# Altium PCB BusinessCard.PcbDoc
Units mm, origin at the board's own origin, x right, y up, seen from the top; angles counter-clockwise.
Board outline 88.9 x 50.8 mm, 4 copper layers (L1-SIG, L2-GND, L3-SIG, L4-GND), stack 2.199 mm thick; 55 components, 38 nets, 233 pads, 240 vias.
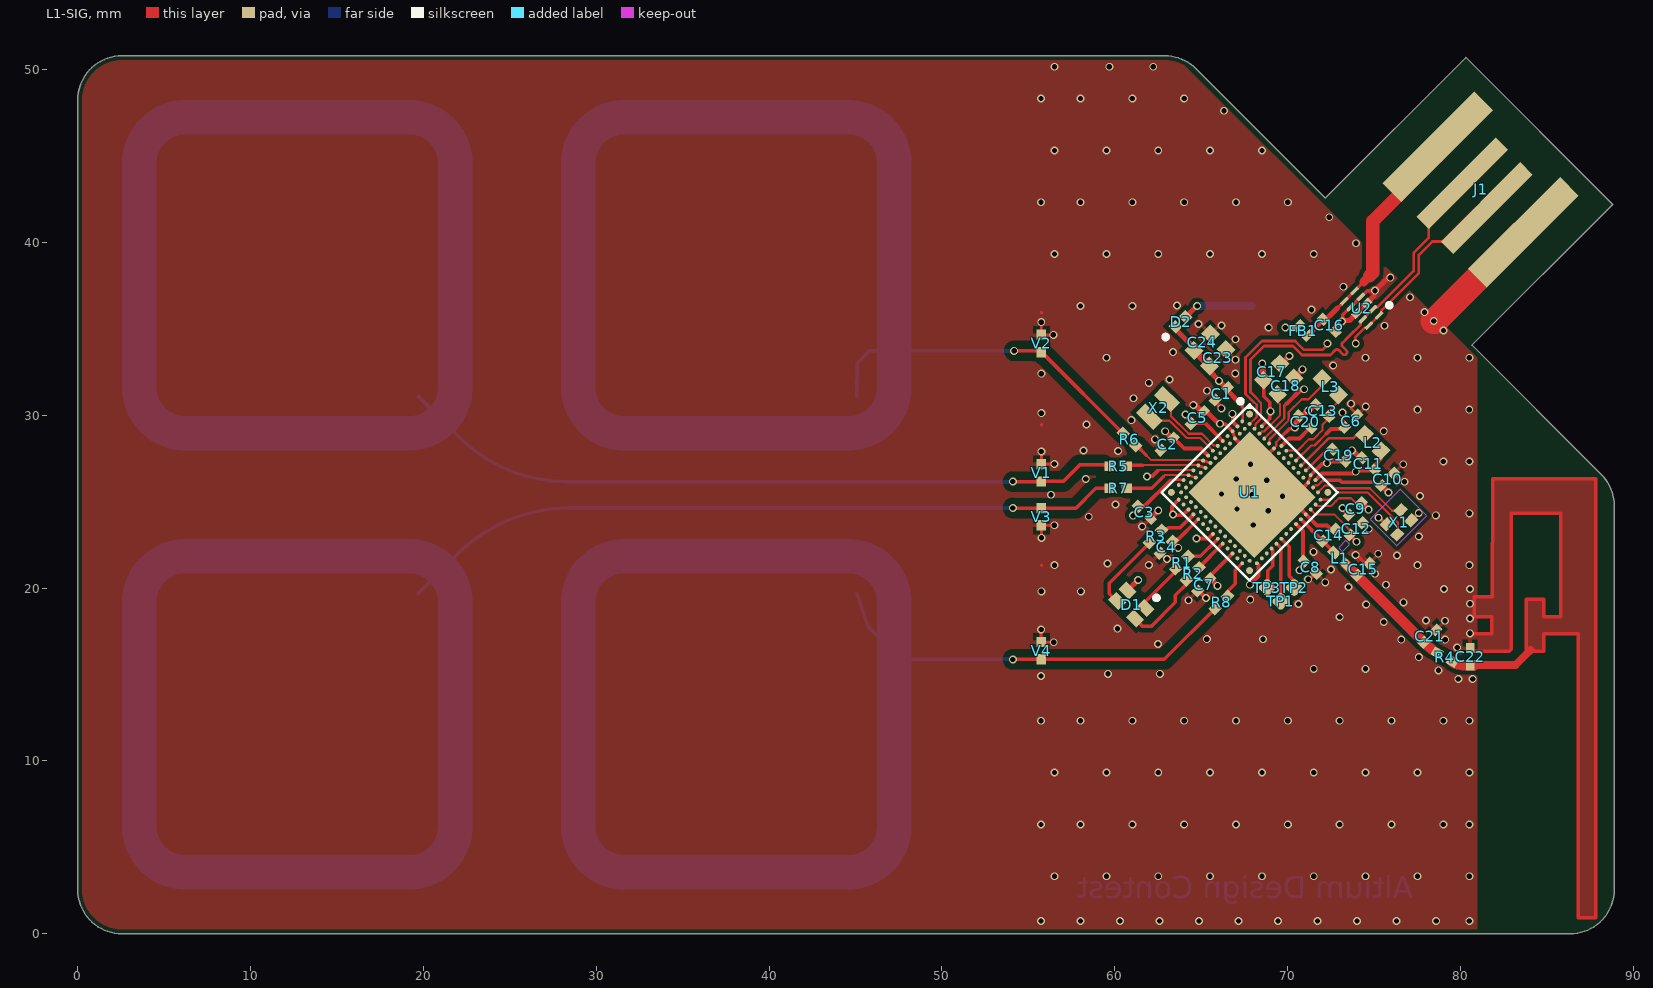
[diagram p0: L1-SIG view]
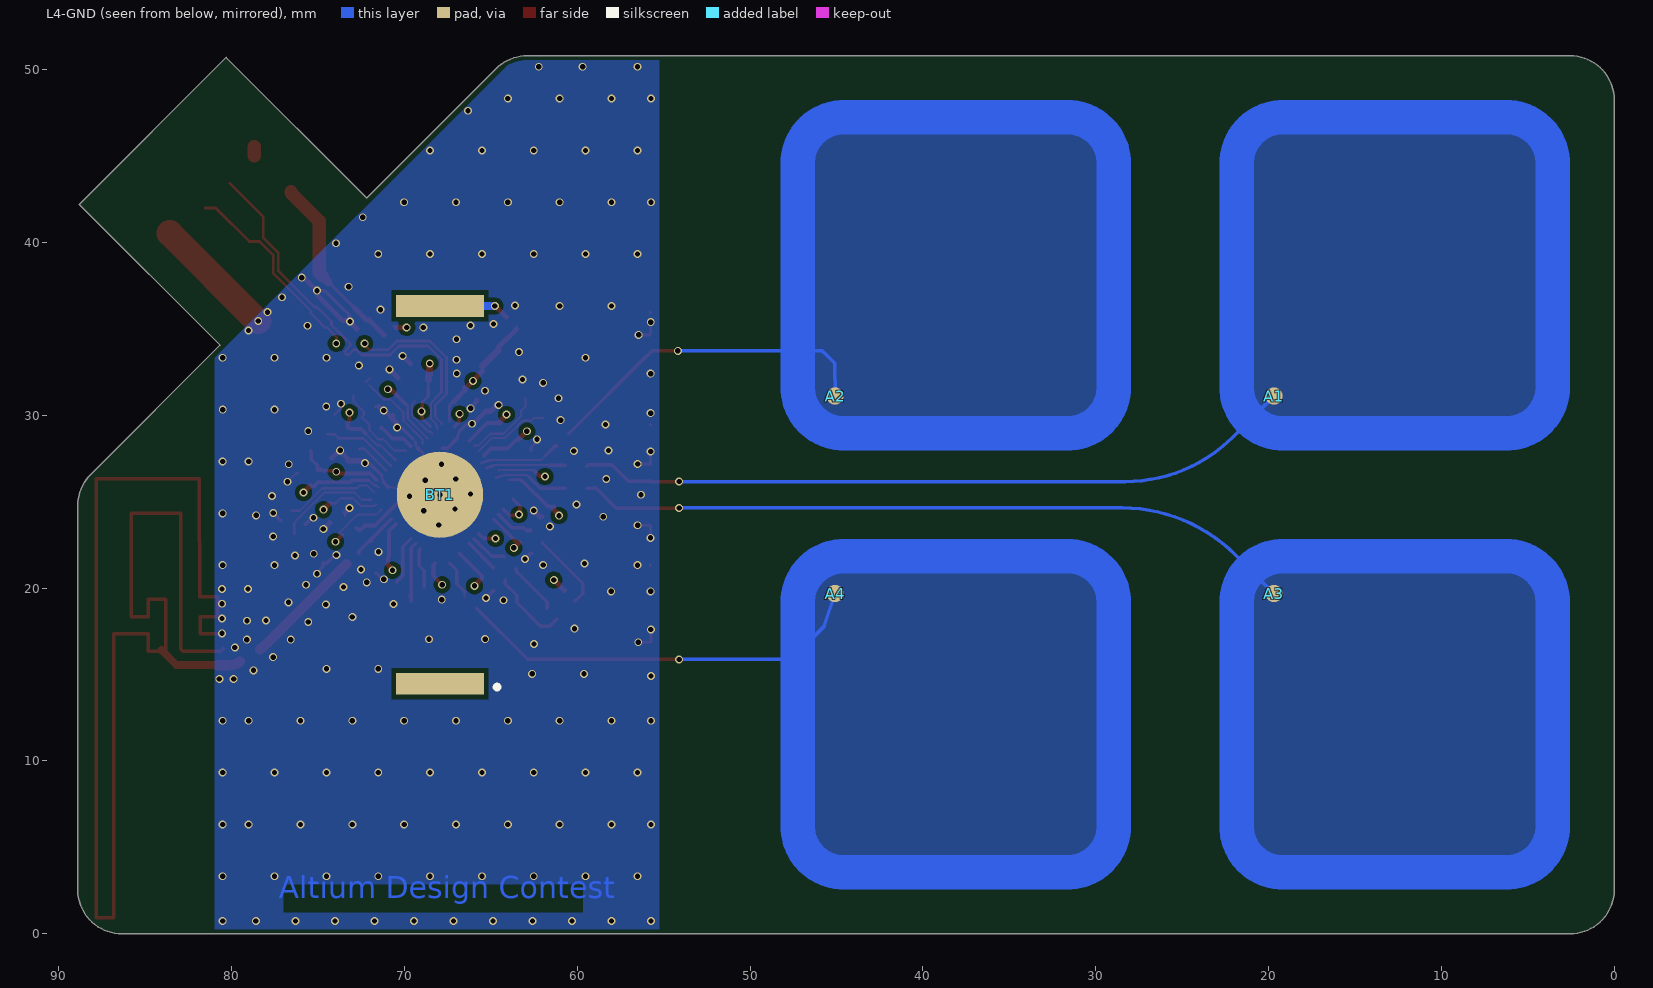
[diagram p1: L4-GND view, seen from below]
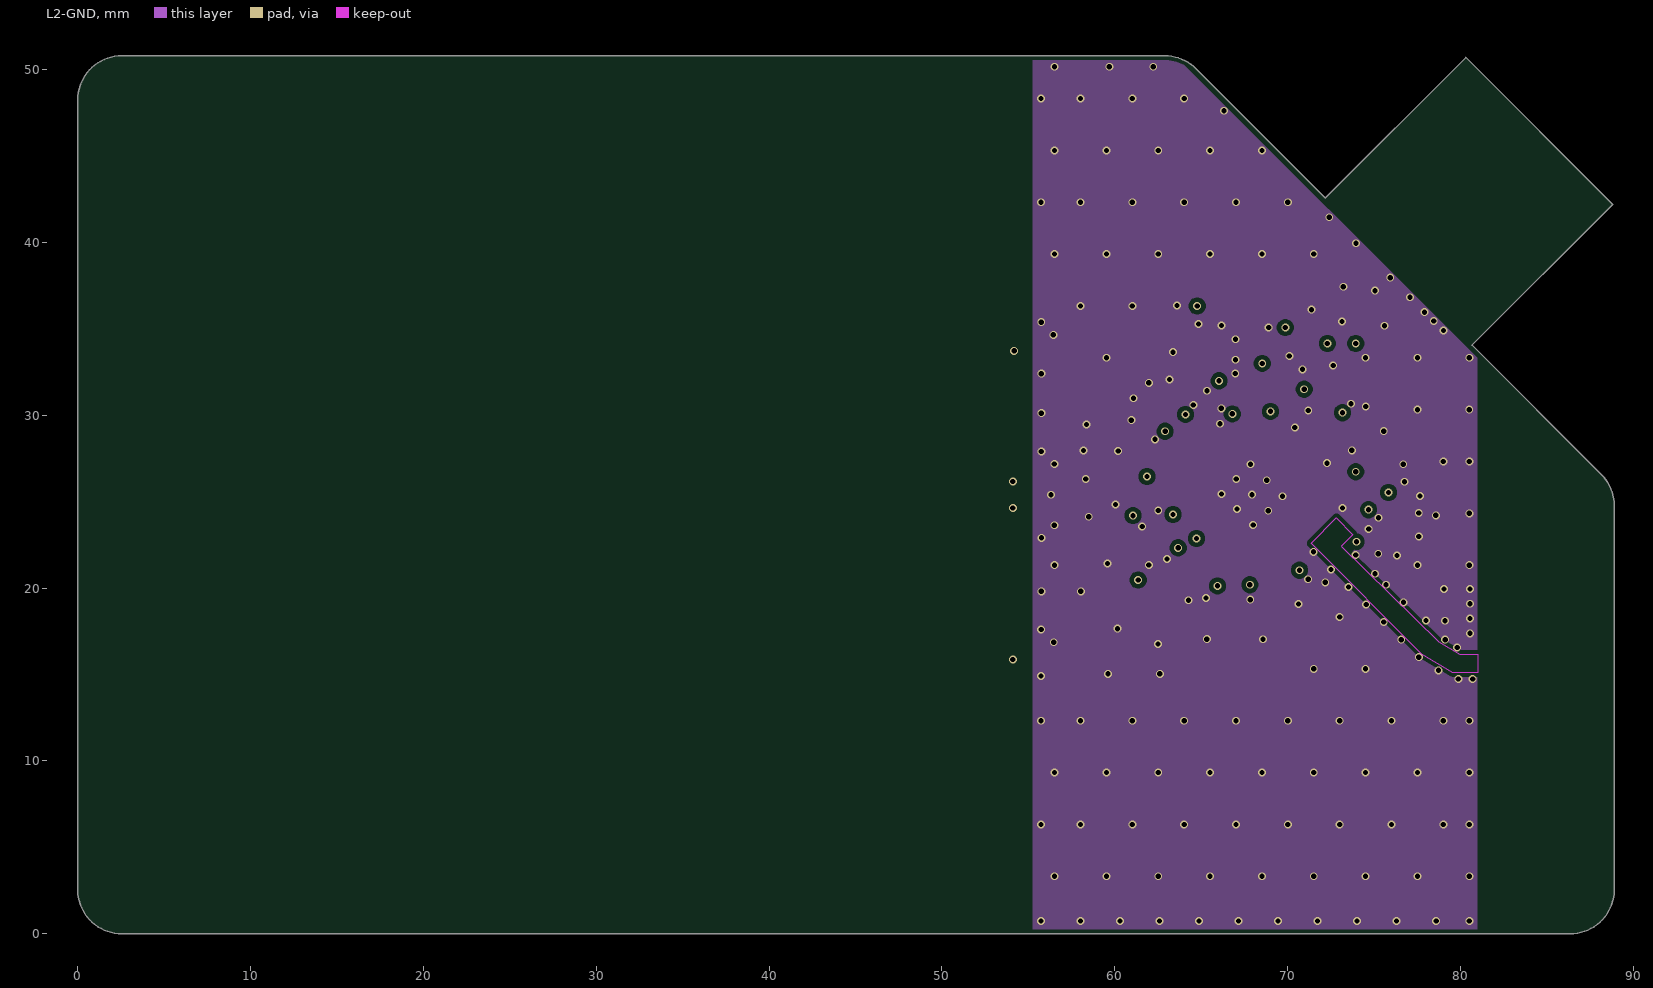
[diagram p2: L2-GND]
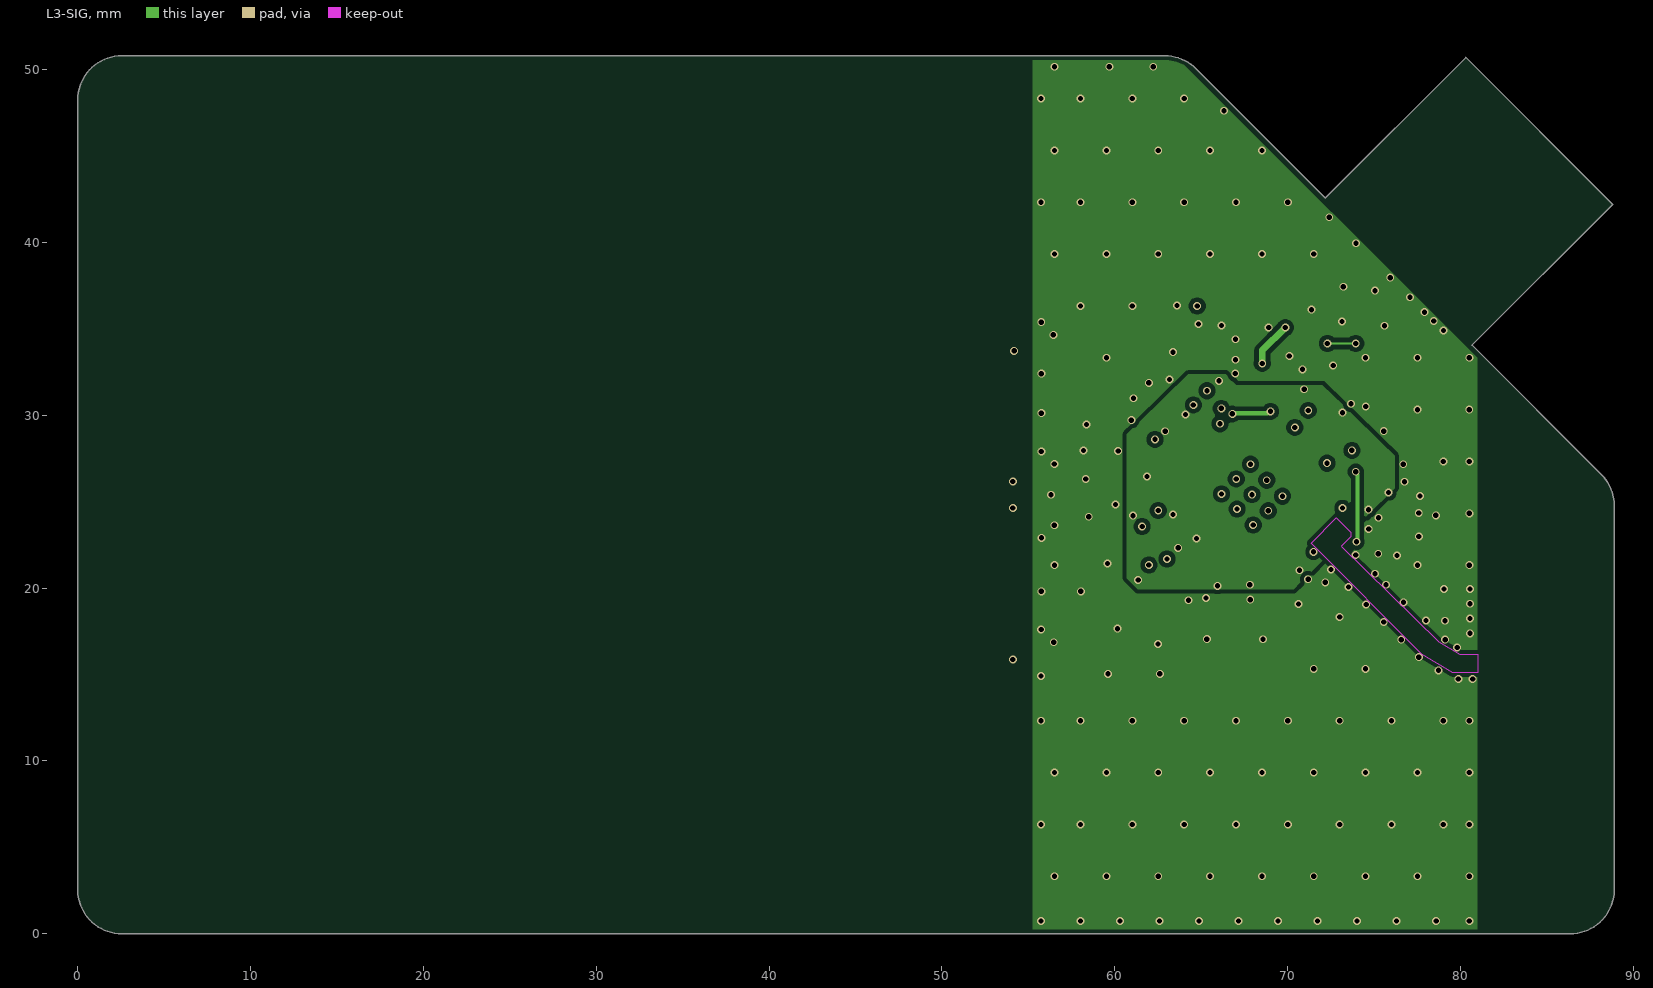
[diagram p3: L3-SIG]
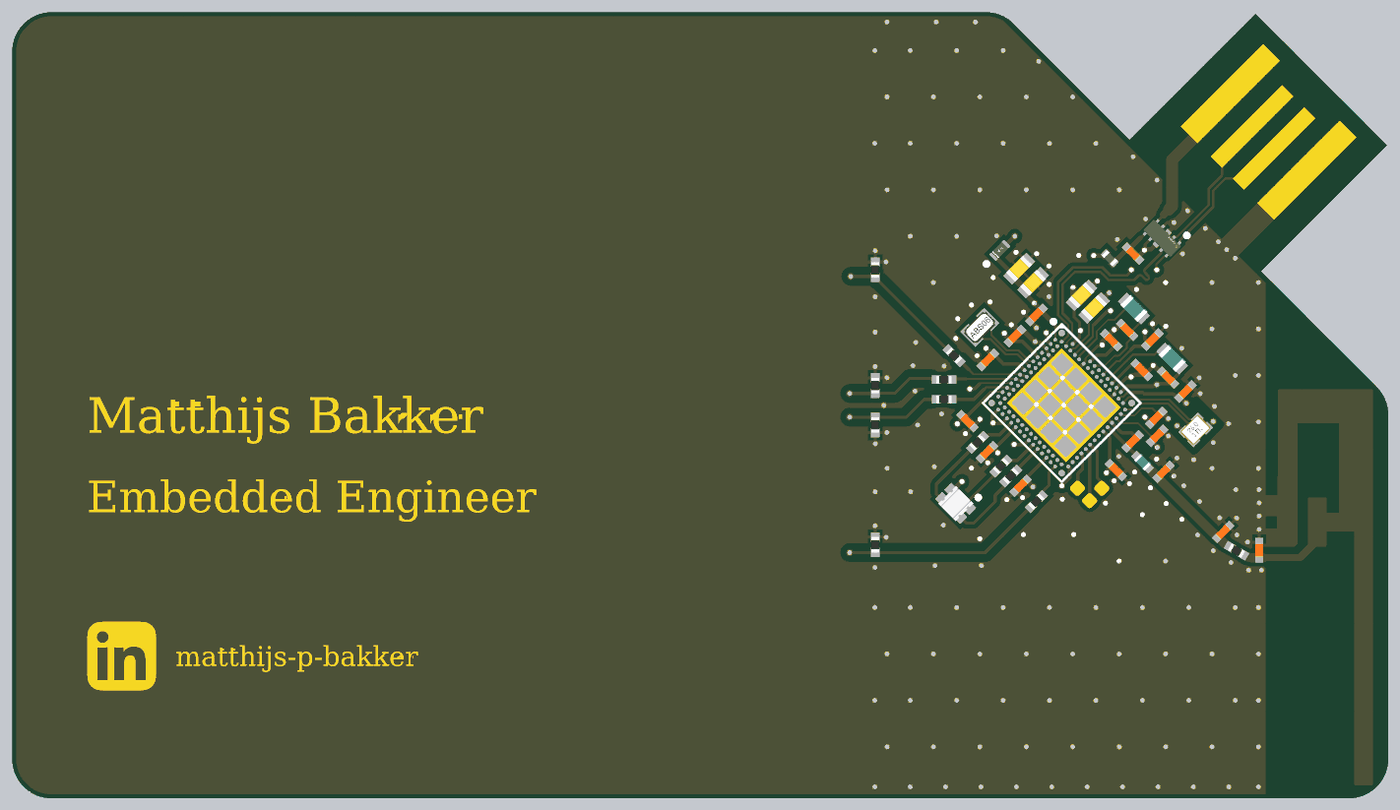
[diagram p4: 3D render of the assembled board from above, using the file's embedded part models]

## Layer stack, top to bottom
Top Solder: solder mask 0.01, Solder Resist, Dk 3.5
L1-SIG: signal copper 0.035
Dielectric 2: prepreg 0.0994, PP-006, Dk 4.1
L2-GND: signal copper 0.0152
Dielectric 1: dielectric 1.9, FR-4, Dk 4.6
L3-SIG: signal copper 0.0152
Dielectric 3: prepreg 0.0994, PP-006, Dk 4.1
L4-GND: signal copper 0.035
Bottom Solder: solder mask 0.01, Solder Resist, Dk 3.5

## Board outline
0,2.54 0,48.26 cw(c2.54,48.26) 2.54,50.8 62.903,50.8 cw(c62.903,48.26) 64.699,50.056 64.706,50.051 72.186,42.571 80.319,50.704 88.818,42.205 80.673,34.059 88.157,26.575 88.156,26.574 cw(c86.36,24.778) 88.9,24.778 88.9,2.54 cw(c86.36,2.54) 86.36,0 2.54,0 cw(c2.54,2.54)

## Design rules (kind name [scope] priority, off if disabled: settings)
BoardOutlineClearance [All] p1: gap=0.254 ignorepadtopadclearanceinfootprint=FALSE
Clearance "Battery Ground Clearance" [InNet('GND') And OnLayer('L4-GND') vs InNet('GND')] p1: gap=0.254 ignorepadtopadclearanceinfootprint=FALSE except(0: Arc-SMDPad Track-SMDPad SMDPad-Fill SMDPad-Poly SMDPad-Region; 0.125: Arc-Arc Arc-Track Track-Track; 0.15: SMDPad-SMDPad)
Clearance "Text Clearance" [IsTextInverted vs OnLayer('L4-GND')] p2: gap=0 ignorepadtopadclearanceinfootprint=FALSE
Clearance "Cap lines clearance" [InNetClass('Analog') vs InNet('GND')] p3: gap=0.254 ignorepadtopadclearanceinfootprint=FALSE except(0.125: Arc-Arc Arc-Track Arc-SMDPad Track-Track Track-SMDPad; 0.15: SMDPad-SMDPad; 0.5: Arc-Fill Arc-Poly Arc-Region Track-Fill Track-Poly Track-Region)
Clearance "USB90 Clearance" [InNet('USB_D_P') vs InNet('USB_D_N')] p4: gap=0.254 ignorepadtopadclearanceinfootprint=FALSE except(0.125: Arc-Arc Arc-Track Track-Track; 0.15: Arc-SMDPad Track-SMDPad SMDPad-SMDPad)
Clearance [All] p5: gap=0.254 ignorepadtopadclearanceinfootprint=FALSE except(0.125: Arc-Arc Arc-Track Arc-SMDPad Track-Track Track-SMDPad; 0.15: SMDPad-SMDPad)
ComponentClearance [All] p1: gap=0 collisioncheckmode=3 verticalgap=0.254 showdistances=FALSE
DiffPairsRouting "USB90 Routing" [InDifferentialPair('USB_D')] p1: maxlimit=0.15 minlimit=0.101 mostfreqgap=0.15 toplayer_mingap=0.125 toplayer_minwidth=0.125 toplayer_maxwidth=0.154 toplayer_prefwidth=0.154 midlayer1_maxgap=0.127 midlayer1_prefgap=0.127 midlayer1_minwidth=0.101 midlayer1_maxwidth=0.125 midlayer1_prefwidth=0.125 midlayer2_maxgap=0.127 midlayer2_prefgap=0.127 midlayer2_minwidth=0.101 midlayer2_maxwidth=0.125 midlayer2_prefwidth=0.125 bottomlayer_mingap=0.15 bottomlayer_minwidth=0.154 bottomlayer_maxwidth=0.154 bottomlayer_prefwidth=0.154 impedanceprofiledriven=TRUE impedanceprofileid={209EED9B-1826-4452-BB2A-9DE543A9A99E} impedanceprofilevalue=90.000000 maxuncoupledlength=12.7
DiffPairsRouting [All] p2: maxlimit=0.254 minlimit=0.254 mostfreqgap=0.254 toplayer_minwidth=0.381 toplayer_maxwidth=0.381 toplayer_prefwidth=0.381 midlayer1_minwidth=0.381 midlayer1_maxwidth=0.381 midlayer1_prefwidth=0.381 midlayer2_minwidth=0.381 midlayer2_maxwidth=0.381 midlayer2_prefwidth=0.381 bottomlayer_minwidth=0.381 bottomlayer_maxwidth=0.381 bottomlayer_prefwidth=0.381 maxuncoupledlength=12.7
MinimumSolderMaskSliver [All] p1: minsoldermaskwidth=0.15
PolygonConnect PolygonConnect_1 [InNet('+3V3') vs IsVia] p1: connectstyle=Direct reliefconductorwidth=0.254 reliefentries=4 polygonreliefangle="90 Angle" airgapwidth=0.254
PolygonConnect "GND Vias Direct" [InNet('GND') vs IsVia] p2: connectstyle=Direct reliefconductorwidth=0.254 reliefentries=4 polygonreliefangle="90 Angle" airgapwidth=0.254
PolygonConnect "Test Points Direct Connection" [HasFootprint('TP_SMD_Ø1.0mm')] p3: connectstyle=Direct reliefconductorwidth=0.254 reliefentries=4 polygonreliefangle="90 Angle" airgapwidth=0.254
PolygonConnect [All] p4: connectstyle=Relief reliefconductorwidth=0.2 reliefentries=4 polygonreliefangle="90 Angle" airgapwidth=0.2
RoutingVias [All] p1: holewidth=0.305 width=0.457 viastyle="Through Hole" minholewidth=0.305 minwidth=0.457 maxholewidth=0.711 maxwidth=1.27
ShortCircuit "Text and L4 GND" [InNet('GND') And OnLayer('L4-GND') vs IsTextInverted] p1: allowed=TRUE
ShortCircuit [All] p2: allowed=FALSE
SilkToSolderMaskClearance [IsPad] p1: minsilkscreentomaskgap=0.1 clearancetoexposedcopper=TRUE
SolderMaskExpansion "ANT Testpads No SM Opening" [HasFootprint('TP_SMD_Ø1.0mm') And OnLayer('L4-SIG')] p1: expansion=0.102 istentingtop=TRUE
SolderMaskExpansion "Tented Vias" [IsVia] p2: expansion=0.102 istentingtop=TRUE useseparateexpansions=TRUE expansionbottom=0.102 istentingbottom=TRUE
SolderMaskExpansion [All] p3: expansion=0 istentingtop=FALSE
SupplyNets "Schematic Supply Nets_3" [InNet('VBAT')] p1: voltage=0.000
SupplyNets "Schematic Supply Nets_2" [InNet('VBUS')] p2: voltage=0.000
SupplyNets "Schematic Supply Nets_1" [InNet('+3V3')] p3: voltage=0.000
SupplyNets "Schematic Supply Nets" [InNet('GND')] p4: voltage=0.000
Width "ANT50 Width" [InNetClass('ANT50')] p1: maxlimit=0.592 minlimit=0.114 preferedwidth=0.592 toplayer_minwidth=0.592 midlayer1_maxwidth=0.114 midlayer1_prefwidth=0.114 midlayer2_maxwidth=0.114 midlayer2_prefwidth=0.114 bottomlayer_minwidth=0.592 impedanceprofiledriven=TRUE impedanceprofileid={BAAF75B8-9559-42B3-967D-981A1AD5036B} impedanceprofilevalue=50.000000 minimp=50.000000 maximp=50.000000 favimp=50.000000
Width [All] p2: maxlimit=2 minlimit=0.125 preferedwidth=0.25 toplayer_prefwidth=0.2 midlayer1_maxwidth=0.5 midlayer2_maxwidth=0.5 bottomlayer_minwidth=0.15 bottomlayer_prefwidth=0.2 minimp=50.000000 maximp=50.000000 favimp=50.000000
25 further rules are at their usual default settings.

## Classes and differential pairs
net class ANT50: NetC15_2
net class Analog: NetA1_1 NetA2_1 NetA3_1 NetA4_1 P0.04/AIN0/ANT2 P0.05/AIN1/ANT1 P0.07/AIN3/ANT3 P0.26/AIN5/ANT4
differential pair USB_D: +USB_D_P -USB_D_N

## Components (designator, comment, footprint, x,y, rotation, side; value= is the part's Value field where it differs from the comment)
A1 "Ø1.0mm,SMD" TP_SMD_Ø1.0mm#1 19.685,31.115 r180 bottom
A2 "Ø1.0mm,SMD" TP_SMD_Ø1.0mm#2 45.72,30.48 r180 bottom
A3 "Ø1.0mm,SMD" TP_SMD_Ø1.0mm#3 19.685,19.685 r180 bottom
A4 "Ø1.0mm,SMD" TP_SMD_Ø1.0mm#4 45.72,20.32 r180 bottom
BT1 "3028" BAT_3028 67.945,25.4 r90 bottom locked
C1 "0.1µF" CAPC1005X04L 66.167,31.242 r45 top
C2 "0.1µF" CAPC1005X04L 63.032,28.334 r45 top
C3 "0.1µF" CAPC1005X04L 61.717,24.378 r135 top
C4 "0.1µF" CAPC1005X04L 62.978,22.367 r45 top
C5 "2.2µF" CAPC1005X04L 64.784,29.864 r225 top
C6 "1.0µF" CAPC1005X04L 73.66,29.642 r225 top
C7 "0.1µF" CAPC1005X04L 65.151,20.193 r45 top
C8 "0.1µF" CAPC1005X04L 71.307,21.215 r135 top
C9 "0.1µF" CAPC1005X04L 73.914,24.587 r45 top
C10 "0.1µF" CAPC1005X04L 75.794,26.289 r225 top
C11 "1.0µF" CAPC1005X04L 74.68,27.186 r135 top
C12 "2.2nF" CAPC1005X04L 73.963,23.43 r225 top
C13 "1.0µF" CAPC1005X04L 72.034,30.277 r315 top
C14 "0.7pF" CAPC1005X04L 72.392,23.068 r225 top
C15 "DNP" CAPC1005X04L 74.382,21.091 r225 top
C16 "1.0µF" CAPC1005X04L 72.412,35.207 r315 top
C17 "4.7µF" CAPC1608X06L 69.088,32.512 r225 top
C18 "4.7µF" CAPC1608X06L 69.903,31.697 r225 top
C19 "0.1µF" CAPC1005X04L 72.974,27.686 r135 top
C20 "1.0µF" CAPC1005X04L 71.011,29.617 r315 top
C21 "DNP" CAPC1005X04L 78.232,17.221 r225 top
C22 "DNP" CAPC1005X04L 80.57,16.037 r270 top
C23 "22µF" CAPC1608X06L 65.957,33.327 r225 top
C24 "22µF" CAPC1608X06L 65.059,34.225 r225 top
D1 "LTST-C19HE1WT" FP-LTST-C19HE1WT-MFG 60.96,19.05 r225 top
D2 "CFSH05-20L" FP-SOD-882L-MFG 63.806,35.41 r45 top
FB1 "BLM15PX121SN1D" FP-BLM15-0_05-d0_7-MFG 70.902,34.898 r135 top
J1 "USB-A" USB-A-PCB 81.026,42.926 r225 top locked
L1 "2.2nH" INDC1005X04L 73.029,21.721 r315 top
L2 "10µH" INDC1608X06L 74.93,28.423 r135 top
L3 "10µH" INDC1608X06L 72.466,31.648 r135 top
R1 "56R" RESC1005X04L 63.881,21.47 r45 top
R2 "22R" RESC1005X04L 64.516,20.828 r45 top
R3 "22R" RESC1005X04L 62.361,22.998 r45 top
R4 "0R" RESC1005X04L 79.094,16 r330 top
R5 "470R" RESC1005X04L 60.198,27.051 r180 top
R6 "470R" RESC1005X04L 60.846,28.608 r135 top
R7 "470R" RESC1005X04L 60.198,25.781 r180 top
R8 "470R" RESC1005X04L 66.167,19.177 r225 top
TP1 "Ø1.0mm,SMD" TP_SMD_Ø1.0mm#5 69.607,19.233 r315 top
TP2 "Ø1.0mm,SMD" TP_SMD_Ø1.0mm#5 70.391,20.033 r45 top
TP3 "Ø1.0mm,SMD" TP_SMD_Ø1.0mm#5 68.819,20.033 r45 top
U1 "nRF5340-QKAA" AQFN40P700X700X85_HS-99N 67.804,25.541 r315 top
U2 "TPD4E05U06" FP-DQA0010A-MFG 74.295,36.195 r225 top value=0.5pF
V1 "LXES15AAA1-133" RESC1005X04L 55.753,26.67 r270 top
V2 "LXES15AAA1-133" RESC1005X04L 55.761,34.155 r270 top
V3 "LXES15AAA1-133" RESC1005X04L 55.753,24.13 r90 top
V4 "LXES15AAA1-133" RESC1005X04L 55.753,16.383 r270 top
X1 "32MHz" BT-XTAL_1612 76.449,23.809 r45 top
X2 "32.768kHz" XTAL_2012 62.509,30.429 r45 top

## Footprints (in the part's own frame and the unit in brackets; to place one, negate y for a bottom-side part, rotate by r counter-clockwise, add the part's x,y. Pads: shape width x height; smd on the part's side, far side on the other; paste and mask are expansions set on the pad)
AQFN40P700X700X85_HS-99N [mm] "AQFN, 98-Leads, Body 7.00x7.00mm, Pitch 0.40mm, Thermal Pad 5.4x5.0mm, IPC Medium Density"
  rect 5.4x5 smd paste-5: 104(0.2,0)
  round 0.4 smd paste+0.012: A1(-3.2,3.2) A31(3.2,3.2) AL1(-3.2,-3.2) AL31(3.2,-3.2)
  round 0.225 smd paste+0.012: A5(-2.2,3.2) A13(-0.6,3.2) A15(-0.2,3.2) A17(0.2,3.2) A19(0.6,3.2) A21(1,3.2) A23(1.4,3.2) A25(1.8,3.2) A27(2.2,3.2) AA1(-3.2,-1) AA31(3.2,-1) AB2(-2.8,-1.2) AC1(-3.2,-1.4) AC31(3.2,-1.4) AD2(-2.8,-1.6) AE1(-3.2,-1.8) AE31(3.2,-1.8) AF2(-2.8,-2) AG1(-3.2,-2.2) AG31(3.2,-2.2) AH2(-2.8,-2.4) AJ1(-3.2,-2.6) AJ31(3.2,-2.6) AK2(-2.8,-2.8) AK4(-2.4,-2.8) AK6(-2,-2.8) AK8(-1.6,-2.8) AK10(-1.2,-2.8) AK12(-0.8,-2.8) AK14(-0.4,-2.8) AK16(0,-2.8) AK18(0.4,-2.8) AK20(0.8,-2.8) AK22(1.2,-2.8) AK24(1.6,-2.8) AK26(2,-2.8) AK28(2.4,-2.8) AK30(2.8,-2.8) AL3(-2.6,-3.2) AL5(-2.2,-3.2) AL7(-1.8,-3.2) AL9(-1.4,-3.2) AL11(-1,-3.2) AL13(-0.6,-3.2) AL15(-0.2,-3.2) AL17(0.2,-3.2) AL19(0.6,-3.2) AL21(1,-3.2) AL23(1.4,-3.2) AL25(1.8,-3.2) AL27(2.2,-3.2) AL29(2.6,-3.2) B2(-2.8,2.8) B4(-2.4,2.8) B6(-2,2.8) B8(-1.6,2.8) B10(-1.2,2.8) B12(-0.8,2.8) B14(-0.4,2.8) B16(0,2.8) B18(0.4,2.8) B20(0.8,2.8) B22(1.2,2.8) B24(1.6,2.8) B26(2,2.8) B28(2.4,2.8) B30(2.8,2.8) C1(-3.2,2.6) C31(3.2,2.6) D2(-2.8,2.4) E1(-3.2,2.2) E31(3.2,2.2) F2(-2.8,2) G1(-3.2,1.8) G31(3.2,1.8) H2(-2.8,1.6) J1(-3.2,1.4) J31(3.2,1.4) K2(-2.8,1.2) L1(-3.2,1) L31(3.2,1) M2(-2.8,0.8) N1(-3.2,0.6) N31(3.2,0.6) P2(-2.8,0.4) R1(-3.2,0.2) R31(3.2,0.2) T2(-2.8,0) U1(-3.2,-0.2) U31(3.2,-0.2) V2(-2.8,-0.4) W1(-3.2,-0.6) W31(3.2,-0.6) Y2(-2.8,-0.8)
  rrect15% 1.1x1 on Top Paste: ""(-1.75,-0.6) ""(-1.75,-1.8) ""(-1.75,1.8) ""(-1.75,0.6) ""(-0.45,-0.6) ""(-0.45,0.6) ""(-0.45,1.8) ""(-0.45,-1.8) ""(0.85,1.8) ""(0.85,-1.8) ""(0.85,0.6) ""(0.85,-0.6) ""(2.15,0.6) ""(2.15,1.8) ""(2.15,-1.8) ""(2.15,-0.6)
  silkscreen extent -4.22,-3.6 3.6,3.6, body extent -3.5,-3.5 3.5,3.5, height 0.85
BAT_3028 [mm]
  round 5 smd paste-3 mask+0.102: N(0,0)
  rect 1.27x5.08 smd paste+0 mask+0.102: P1(-10.935,0) P2(10.935,0)
  body extent -11.57,-7.7 11.57,8.13, height 1.7
BT-XTAL_1612 [mm]
  rect 0.65x0.55 smd: 1(-0.575,-0.425) 2(0.575,-0.425) 3(0.575,0.425) 4(-0.575,0.425)
  body extent -0.83,-0.63 0.83,0.63, height 0.41
CAPC1005X04L [mm]
  rect 0.6x0.5 smd: 1(-0.5,0) 2(0.5,0)
  body extent -0.51,-0.25 0.51,0.25, height 0.5
CAPC1608X06L [mm]
  rect 0.75x0.8 smd: 1(-0.675,0) 2(0.675,0)
  body extent -0.8,-0.43 0.8,0.43, height 0.8
FP-BLM15-0_05-d0_7-MFG [mm]
  rect 0.4x0.7 smd paste-1000 mask-1000: 1(-0.4,0) 2(0.4,0)
  body extent -0.7,-0.45 0.7,0.45, height 0.25
FP-DQA0010A-MFG [mm]
  rrect50% 0.565x0.2 smd paste+0 mask+0: 1(-0.417,1) 2(-0.417,0.5) 4(-0.417,-0.5) 5(-0.417,-1) 6(0.417,-1) 7(0.417,-0.5) 9(0.417,0.5) 10(0.417,1)
  rrect25% 0.565x0.4 smd paste-1000 mask+0: 3(-0.417,0) 8(0.417,0)
  silkscreen extent -1.37,0.88 -1.13,1.12, body extent -0.8,-1.4 0.8,1.4, height 0.25
FP-LTST-C19HE1WT-MFG [mm]
  rect 0.65x0.85 smd paste+0 mask+0: 1(-0.425,0.725) 2(0.425,0.725) 3(0.425,-0.725) 4(-0.425,-0.725)
  silkscreen extent -1.42,0.63 -1.17,0.88, body extent -0.95,-1.25 0.95,1.25, height 0.25
FP-SOD-882L-MFG [mm]
  rect 0.55x0.6 smd paste+0 mask+0: 1(-0.4,0) 2(0.4,0)
  silkscreen extent -1.36,-0.14 -1.11,0.11, body extent -0.77,-0.42 0.77,0.42, height 0.25
INDC1005X04L [mm] "Chip Inductor, 2-Leads, Body 1.0x0.5mm, IPC High Density"
  rect 0.65x0.5 smd: 1(-0.475,0) 2(0.475,0)
  body extent -0.5,-0.3 0.5,0.3, height 0.5
INDC1608X06L [mm] "Chip Inductor, 2-Leads, Body 1.6x0.8mm, IPC High Density"
  rect 0.75x0.8 smd: 1(-0.675,0) 2(0.675,0)
  body extent -0.8,-0.48 0.8,0.48, height 0.8
RESC1005X04L [mm]
  rect 0.6x0.55 smd: 1(-0.5,0) 2(0.5,0)
  body extent -0.5,-0.25 0.5,0.25, height 0.3
TP_SMD_Ø1.0mm#1 [mm]
  round 1 smd paste-2539.97: 1(0,0)
TP_SMD_Ø1.0mm#2 [mm]
  round 1 smd paste-5: 1(0.635,0.635)
TP_SMD_Ø1.0mm#3 [mm]
  round 1 smd paste-5: 1(0,0)
TP_SMD_Ø1.0mm#4 [mm]
  round 1 smd paste-5: 1(0.635,-0.635)
TP_SMD_Ø1.0mm#5 [mm]
  rrect50% 0.8x0.8 smd paste-5: 1(0,0)
USB-A-PCB [mil]
  rect 296x60 smd paste-196.85: 1(-7.87,-137.8) 4(-7.87,138)
  rect 256x40 smd paste-196.85: 2(12,-39.37) 3(12,40)
XTAL_2012 [mm]
  rect 0.75x1.4 smd: 1(-0.725,0) 2(0.725,0)
  body extent -1,-0.61 1,0.61, height 0.6
